# Altium PCB NG2094.PcbDoc (part 2 of 3) (continued)
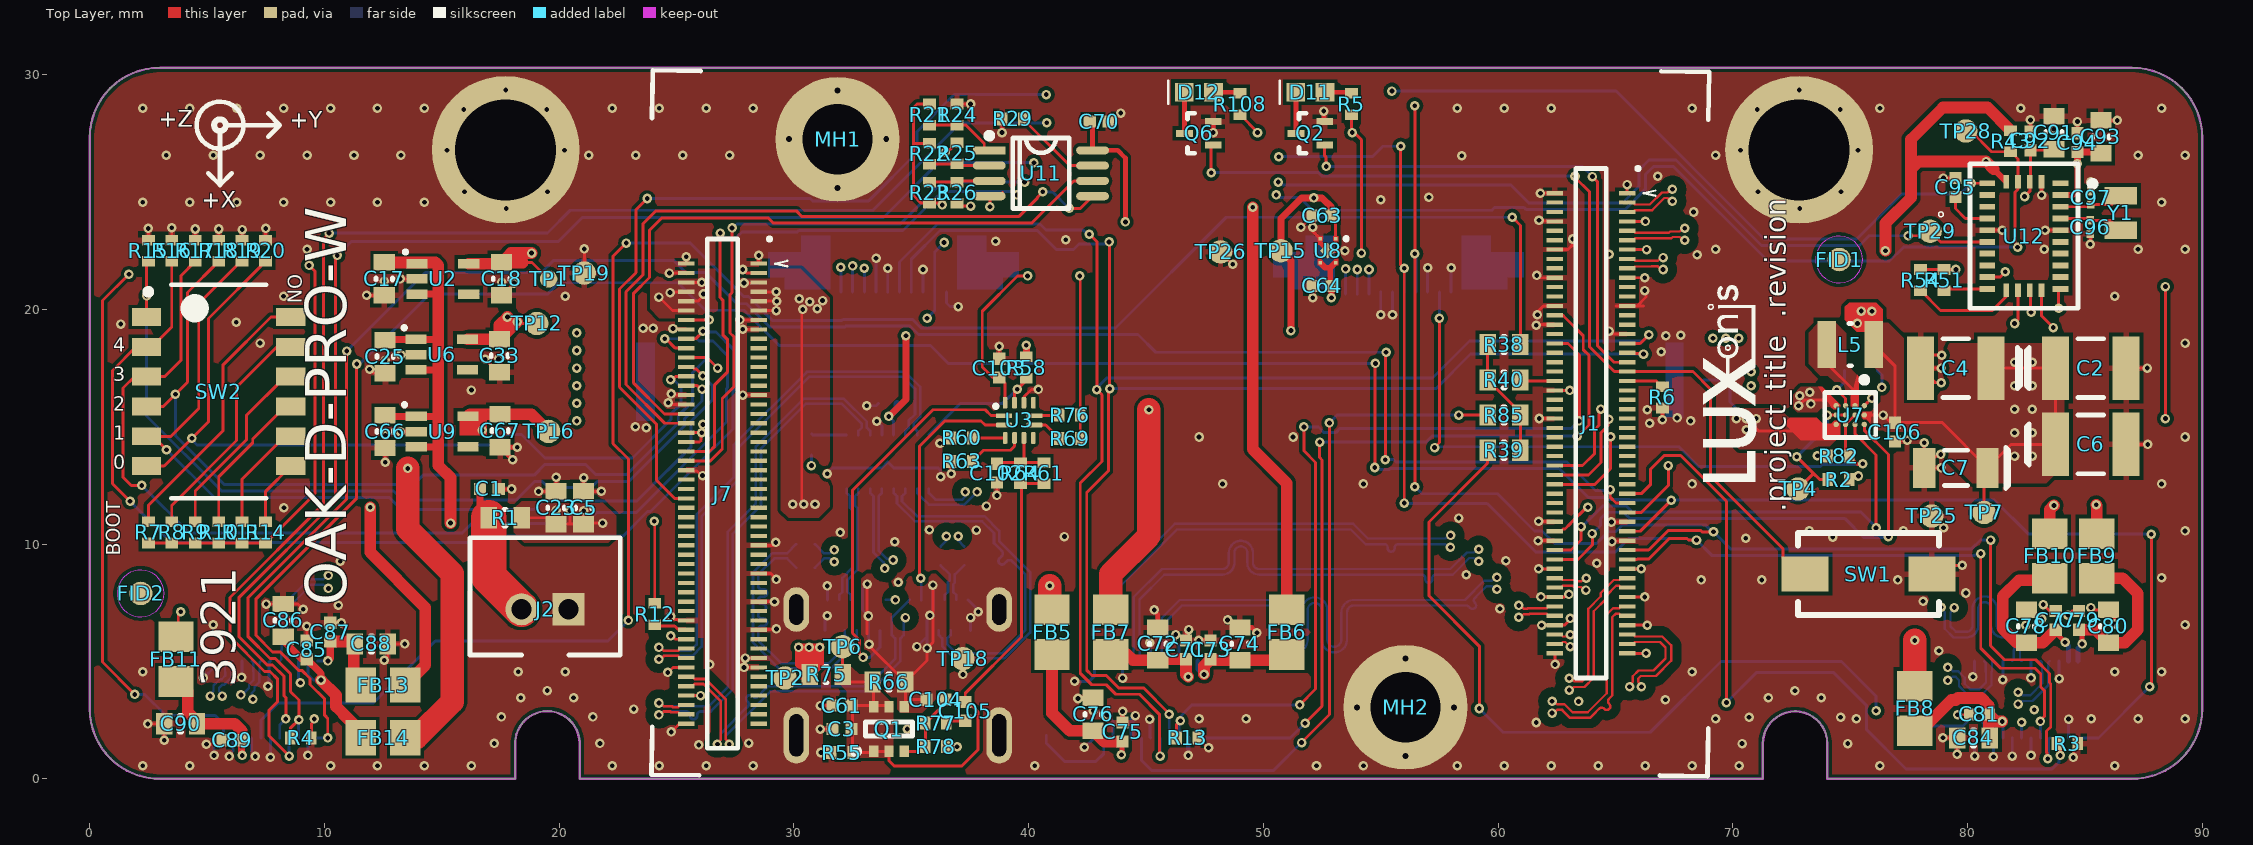
[diagram p0: Top Layer view]
## Nets (pads, with @x,y where several pads share a name; then routed paths per layer and width w, separated by ;. In a path a pad name is that pad's centre, name@x,y a point inside that pad or via, vN(x,y) a via of type N, cw(c..) or ccw(c..) an arc to the next point about the centre after c; other vN are vias at no path point) (continued)
  Inner Layer 2 w0.125: v1(63.825,11.575) 63.825,11.963 65.787,13.925 71.05,13.925 71.625,14.5 76.325,14.5 78.284,16.459 79.509,16.459 81.413,18.363 82.788,18.363 v1(83.65,19.225)
BNO08x_WAKE_1V8: J7.52 U12.6 | length 77.9
  Top Layer w0.125: v1(23.75,24.725) 23.275,24.25 23.275,21.564 22.575,20.864 22.575,16.686 24.15,15.111 24.15,12.725 24.925,11.95 J7.52@25.42,11.95 ; v1(80.15,25.375) U12.6@80.835,25.374
  Inner Layer 1 w0.125: v1(40.75,29.15) 55.261,29.15 55.411,29.3 v1(55.475,29.3)
  Bottom Layer w0.125: v1(23.75,24.725) 30.7,24.725 30.8,24.625 33.187,24.625 35.244,26.681 35.244,27.569 36.825,29.15 37.337,29.15 37.353,29.165 37.697,29.165 37.713,29.15 v1(40.75,29.15) ; v1(55.475,29.3) 65.028,29.3 71.328,23 75.275,23 77.2,24.925 79.7,24.925 v1(80.15,25.375)
Boot0: J7.26 R20.1 SW2.6 | length 36
  Top Layer w0.125: SW2.6@2.425,13.325 3.175,13.325 v1(4.357,14.507) 5.065,15.215 5.065,19.615 R20.1@7.5,22.05 ; v1(24.75,17) 24.821,17 24.964,17.142 25.412,17.142 J7.26@25.42,17.15
  Bottom Layer w0.125: v1(4.357,14.507) 4.357,14.443 4.575,14.225 17.275,14.225 17.725,14.675 18.4,14.675 19.4,13.675 23.125,13.675 24.768,15.318 24.768,15.551 25.2,15.983 25.2,16.685 24.938,16.946 24.804,16.946 v1(24.75,17)
Boot1: J7.24 R19.1 SW2.5 | length 39.6
  Top Layer w0.125: SW2.5@2.425,14.595 SW2.5@2.705,14.595 ; v1(3.275,14.025) SW2.5@2.705,14.595 ; R19.1@6.5,22.05 6.45,22.05 4.65,20.25 4.65,15.775 3.47,14.595 SW2.5@2.705,14.595 ; J7.24@25.42,17.55 25.447,17.523 25.708,17.523 25.777,17.453 25.858,17.453 26.123,17.188 v1(26.123,17.164)
  Bottom Layer w0.125: v1(3.275,14.025) 5.316,11.984 12.766,11.984 13.275,11.475 18.938,11.475 19.324,11.861 21.19,11.861 21.217,11.834 23.311,11.834 23.6,12.123 23.6,12.125 25.625,14.15 25.625,15.241 26.525,16.141 26.525,16.762 v1(26.123,17.164)
Boot2: J7.22 R18.1 SW2.4 | length 38.7
  Top Layer w0.125: SW2.4@2.425,15.865 3.14,15.865 v1(3.658,16.382) 4.175,16.9 4.175,20.725 R18.1@5.5,22.05 ; J7.22@25.42,17.95 26.3,17.95 v1(26.75,17.5)
  Bottom Layer w0.125: v1(3.658,16.382) 3.658,14.619 5.742,12.534 13.8,12.534 14.203,12.938 18.938,12.938 19.4,13.4 21.125,13.4 21.55,12.975 22.886,12.975 25.075,15.164 25.075,15.469 25.676,16.07 25.676,17.305 26.259,17.888 26.362,17.888 v1(26.75,17.5)
Boot3: J7.20 R17.1 SW2.3 | length 46.8
  Top Layer w0.125: v1(2.225,12.5) 1.775,12.5 1.425,12.85 1.425,16.65 1.91,17.135 SW2.3@2.425,17.135 3.185,17.135 3.9,17.85 3.9,21.45 R17.1@4.5,22.05 ; v1(24.5,18.75) 24.55,18.75 24.95,18.35 J7.20@25.42,18.35
  Bottom Layer w0.125: v1(2.225,12.5) 4.25,10.475 15.875,10.475 16.275,10.875 21.125,10.875 21.6,11.35 23.286,11.35 27.134,15.198 27.134,16.636 27.166,16.667 27.166,18.034 26.55,18.65 25.956,18.65 25.855,18.75 v1(24.5,18.75)
Boot4: J7.18 R16.1 SW2.2 | length 46.3
  Top Layer w0.125: v1(1.725,11.825) 0.975,12.575 0.975,17.4 1.98,18.405 SW2.2@2.425,18.405 2.655,18.405 3.5,19.25 R16.1@3.5,22.05 ; J7.18@25.42,18.75 25.822,18.75 26.128,19.056 v1(26.128,19.065)
  Bottom Layer w0.125: v1(1.725,11.825) 3.475,10.075 16.225,10.075 16.5,10.35 22.729,10.35 23.769,11.391 23.898,11.391 27.409,14.902 27.409,16.522 27.441,16.553 27.441,18.284 26.687,19.038 26.155,19.038 v1(26.128,19.065)
CAM_A_CLK: J1.28 J5.24 | length 34.4
  Top Layer w0.125: v1(51.775,2.375) 52.5,3.1 52.5,13.589 52.4,13.689 v1(52.4,14.35) ; J1.28@62.415,19.75 62.75,19.75 62.847,19.653 62.853,19.653 62.978,19.528 62.978,19.522 63.625,18.875 63.625,18.286 63.866,18.046 63.866,15.078 63.388,14.6 v1(63.375,14.6)
  Bottom Layer w0.125: J5.24@47.2,1.745 51.145,1.745 v1(51.775,2.375) ; v1(52.4,14.35) 56.937,14.35 57.187,14.6 v1(63.375,14.6)
CAM_A_PWDN_N: J1.34 J5.22 R13.1 | length 35.5
  Top Layer w0.125: R13.1@46.3,1.75 46.3,2.325 46.455,2.48 v1(46.464,2.48) ; v1(51.55,3.15) 52.225,3.825 52.225,13.475 51.725,13.975 v1(51.725,14.992) ; J1.34@62.415,18.55 62.972,18.55 63.465,18.057 63.465,15.265 v1(63.45,15.25)
  Bottom Layer w0.125: J5.22@46.4,1.745 v1@46.4,2.48 ; v1(46.464,2.48) v1@46.4,2.48 ; v1(51.55,3.15) 46.95,3.15 46.4,2.6 v1@46.4,2.48 ; v1(51.725,14.992) 52.346,14.992 52.588,14.75 53.081,14.75 53.265,14.935 63.122,14.935 63.437,15.25 v1(63.45,15.25)
CAM_B_CLK: J1.73 J3.24 J4.24 | length 117.4
  Top Layer w0.125: v1(10.145,1.745) 10.145,2.578 10.013,2.71 10.013,3.401 9.394,4.02 9.394,4.272 9.038,4.627 8.902,4.627 8.124,5.405 7.794,5.405 7.094,6.106 7.094,7.676 11.375,11.958 v1(11.375,17.675) ; v1(54.747,13.265) 54.761,13.28 54.761,17.686 v1(54.775,17.7) ; J1.73@65.495,10.55 66.05,10.55 v1(67.375,11.875) ; v1(87.75,3.925) 87.75,4.001 87.825,4.076 v1(87.825,10.425)
  Bottom Layer w0.125: J4.24@9.7,1.745 v1(10.145,1.745) ; v1@11.525,17.7 14.475,20.65 19.5,20.65 19.984,21.134 25.065,21.134 26.234,19.966 27.872,19.966 28.116,19.722 28.116,19.719 29.375,18.46 35.816,18.46 36.575,17.7 v1(54.775,17.7) ; v1(54.747,13.265) 54.801,13.212 54.932,13.212 54.961,13.183 55.364,13.183 55.406,13.225 62.6,13.225 63.835,11.99 64.522,11.99 64.603,11.909 65.563,11.909 65.598,11.875 v1(67.375,11.875) 81.15,11.875 82.6,10.425 v1(87.825,10.425) ; J3.24@84.7,1.745 85.57,1.745 v1(87.75,3.925)
CAM_B_D_PWM: J1.65 J3.22 R3.1 | length 33.4
  Top Layer w0.125: J1.65@65.495,12.15 66.1,12.15 66.5,12.55 66.5,13.202 67.073,13.775 67.775,13.775 69.725,11.825 v1(69.725,3.25) ; R3.1@83.8,1.5 83.95,1.35 v1(83.95,1)
  Bottom Layer w0.125: v1(69.725,3.25) 71,4.525 74.3,4.525 75.684,3.14 75.684,2.115 77.375,0.425 83.6,0.425 83.9,0.725 J3.22@83.9,1.745
CAM_B_PWDN_N: J1.67 J4.22 R4.1 | length 83.6
  Top Layer w0.125: R4.1@8.55,1.75 8.55,2.16 v1(8.914,2.524) ; v1@8.9,2.525 8.914,2.539 8.914,3.363 8.563,3.715 8.563,4.478 7.91,5.13 7.68,5.13 6.755,6.055 6.755,7.727 10.95,11.922 v1(10.95,18.225) ; v1(55.192,13.598) 55.209,13.615 55.209,18.159 v1(55.225,18.175) ; v1(64.775,12.325) 64.775,12 65.025,11.75 J1.67@65.495,11.75
  Bottom Layer w0.125: J4.22@8.9,1.745 8.907,1.752 8.907,2.517 v1(8.914,2.524) ; v1(10.95,18.225) 14.3,21.575 19.25,21.575 19.75,22.075 24.9,22.075 25.409,21.566 26.247,21.566 27.572,20.241 27.986,20.241 28.391,19.836 28.391,19.833 28.964,19.259 32.168,19.259 32.199,19.291 34.947,19.291 35.303,18.934 44.656,18.934 45.416,18.175 v1(55.225,18.175) ; v1(55.192,13.598) 55.547,13.598 55.645,13.5 62.935,13.5 64.145,12.29 v1@64.775,12.29
CAP: C95.1 U12.9 | length 2
  Top Layer w0.125: C95.1@79.48,24.794 79.48,24.295 79.901,23.874 U12.9@80.835,23.874
CC1: J10.A5 U3.2 | length 10.7
  Top Layer w0.125: v1(35.4,8.55) 35.36,8.59 35.36,14.184 36.425,15.25 37.975,15.25 38.15,15.075 U3.2@38.95,15.075
  Bottom Layer w0.125: v1(35.4,8.55) 35.425,8.525 J10.A5@35.425,7.625
CC2: J10.B5 U3.1 | length 16.9
  Top Layer w0.125: v1(32.95,5.175) 32.788,5.337 32.788,5.92 32.5,6.208 32.5,12.3 35.925,15.725 38.15,15.725 38.4,15.475 U3.1@38.95,15.475
  Bottom Layer w0.125: v1(32.95,5.175) 33.234,5.175 33.675,5.616 J10.B5@33.675,6.325
COM_AUX_IO2: J1.42 R40.2 | length 1.5
  Top Layer w0.125: R40.2@60.95,17 61,16.95 J1.42@62.415,16.95
EEPROM_A0: R21.1 R24.2 U11.1 | length 3.1
  Top Layer w0.125: R21.1@35.775,27.85 R24.2@36.95,27.85 37.325,27.85 38.111,27.064 38.111,26.888 38.223,26.775 U11.1@38.325,26.775
EEPROM_A1: R22.1 R25.2 U11.2 | length 2.6
  Top Layer w0.125: R22.1@35.775,26.175 35.8,26.2 R25.2@36.95,26.2 ; R25.2@36.95,26.125 U11.2@38.325,26.125
EEPROM_A2: R23.1 R26.2 U11.3 | length 2.6
  Top Layer w0.125: R23.1@35.775,25.425 R26.2@36.95,25.425 37,25.475 U11.3@38.325,25.475
ENV_SCL: R51.2 U12.15 | length 1.9
  Top Layer w0.125: R51.2@79,20.8 79.074,20.874 U12.15@80.835,20.874
ENV_SDA: R54.2 U12.16 | length 4.5
  Top Layer w0.125: R54.2@78,20.8 78.85,19.95 81.05,19.95 81.648,20.548 U12.16@81.648,20.812
FSIN1: J4.18 R38.2 | length 81.5
  Top Layer w0.125: v1(22.859,22.825) 22.3,22.265 22.3,14.282 22.95,13.632 v1(22.95,6.75) ; v1(60.6,23.925) 60.95,23.575 R38.2@60.95,18.5
  Bottom Layer w0.125: J4.18@7.3,1.745 7.3,2.5 8.025,3.225 12.075,3.225 14.725,5.875 22.075,5.875 v1(22.95,6.75) ; v1(22.859,22.825) 25.587,22.825 27.862,20.55 28.065,20.55 28.666,19.95 28.666,19.947 29.078,19.534 32.054,19.534 32.085,19.566 35.061,19.566 35.417,19.209 43.698,19.209 48.414,23.925 v1(60.6,23.925)
FSIN2: J3.18 R39.2 | length 40.2
  Top Layer w0.125: v1(59.2,3) 59.2,5.65 57.05,7.8 57.05,10.95 59.55,13.45 R39.2@59.55,14
  Inner Layer 1 w0.125: v1(76.1,2.9) 76.825,2.9 77.475,2.25 79.25,2.25 79.625,1.875 81.762,1.875 v1(82.3,2.413)
  Bottom Layer w0.125: v1(59.2,3) 60.213,1.987 66.476,1.987 69.489,5 74.625,5 76.1,3.525 v1(76.1,2.9) ; J3.18@82.3,1.745 v1(82.3,2.413)
FSIN3: J5.18 R85.2 | length 29.4
  Top Layer w0.125: v1(51.625,1.55) 52.816,2.74 v1(52.816,15.165) ; v1(58.322,15.497) 58.325,15.5 R85.2@59.55,15.5
  Bottom Layer w0.125: J5.18@44.8,1.745 44.8,0.8 45.25,0.35 50.425,0.35 v1(51.625,1.55) ; v1(52.816,15.165) 53.147,15.497 v1(58.322,15.497)
GND: C1.1 C2.2 C3.1 C4.2 C5.1 C6.2 C7.2 C17.1 C18.1 C23.1 C25.1 C33.1 C61.1 C62.1 C63.1 C64.1 C66.1 C67.1 C70.1 C71.1 C72.1 C73.1 C74.1 C75.1 C76.1 C77.1 C78.1 C79.1 C80.1 C81.1 C84.1 C85.1 C86.1 C87.1 C88.1 C89.1 C90.1 C91.1 C92.1 C93.1 C94.1 C95.2 C96.1 C97.1 C102.1 C103.1 C106.1 C107.2 D2.2 D4.2 J1.1 J1.2 J1.7 J1.8 J1.13 J1.14 J1.19 J1.20 J1.25 J1.26 J1.30 J1.31 J1.44 J1.50 J1.71 J1.72 J1.75 J1.76 J1.81 J1.82 J1.87 J1.88 J1.93 J1.94 J1.99 J1.100 J2.P1 J3.3 J3.6 J3.9 J3.12 J3.13 J3.15 J3.17 J3.19 J3.23 J4.3 J4.6 J4.9 J4.12 J4.13 J4.15 J4.17 J4.19 J4.23 J5.3 J5.6 J5.9 J5.12 J5.13 J5.15 J5.17 J5.19 J5.23 J6.4 J6.5 J6.8 J6.10 J7.1 J7.2 J7.3 J7.4 J7.13 J7.14 J7.15 J7.16 J7.29 J7.30 J7.32 J7.38 J7.40 J7.46 J7.61 J7.67 J7.73 J7.78 J7.79 J7.82 J7.85 J7.87 J7.88 J7.94 J7.100 J8.4 J8.5 J8.8 J8.10 J10.A1 J10.A12 J10.B1 J10.B12 J10.SH1 J10.SH2 J10.SH3 J10.SH4 MH1.1 MH2.1 pad.4 Q2.2 Q6.2 R3.2 R4.2 R6.1 R13.2 R15.2 R16.2 R17.2 R18.2 R19.2 R20.2 R24.1 R25.1 R26.1 R29.1 R55.1 R56.2 R60.2 R63.2 R78.1 R82.1 SW1.1 TP18.1 TP19.1 TP25.1 TP26.1 U2.2 U3.10 U5.5 U5.11 U5.20 U5.21 U6.2 U7.A1 U8.2 U8.5 U9.2 U11.4 U12.2 U12.10 U12.25 | length 152.5
  Top Layer w0.125: v1(2.476,2.341) 2.516,2.341 2.55,2.375 2.575,2.35 C90.1@3.175,2.35 v1(3.175,1.65) ; R15.2@2.5,22.95 v1(2.5,23.45) ; R16.2@3.5,22.95 v1(3.5,23.475) ; R17.2@4.5,22.95 v1(4.5,23.425) ; v1(4.975,1.475) 5.5,1.475 C89.1@5.675,1.65 ; R18.2@5.5,22.95 v1(5.5,23.425) ; R19.2@6.5,22.95 v1(6.5,23.4) ; R20.2@7.5,22.95 v1(7.5,23.45) ; v1(7.525,7.45) C86.1@8.25,7.45 8.875,7.45 v1(9.1,7.225) ; C85.1@9.25,5.9 v1(9.25,6.5) ; R4.2@9.45,1.75 9.45,2.35 9.575,2.475 9.572,2.478 v1(9.572,2.558) ; C87.1@10.25,6.65 v1(10.725,6.65) ; v1(11.8,20.6) C17.1@12.55,20.6 v1(12.55,21.2) ; v1(11.925,17.45) 12.086,17.289 C25.1@12.589,17.289 v1(12.589,17.839) ; v1(12.55,5.05) 12.7,5.2 C88.1@12.7,5.75 v1(13.425,5.75) ; v1(12.589,13.489) v1(12.589,14.64) ; v1(13.225,21.3) U2.2@13.95,21.3 ; v1(13.229,14.796) U9.2@13.914,14.796 ; v1@13.238,18.063 v1(13.26,18.063) 13.26,18.066 13.25,18.075 U6.2@13.9,18.075 ; v1(16.85,17.875) 17.4,17.325 C33.1@17.464,17.325 17.422,17.367 v1(17.422,17.889) ; C1.1@17.425,12.35 v1(17.975,12.35) ; v1(17.55,21.15) C18.1@17.55,20.6 v1(18.075,21.125) ; v1(19.122,12.247) C23.1@19.87,12.247 v1(19.87,12.845) ; v1(21.044,12.831) C5.1@21.044,12.25 v1(21.8,12.25) ; TP19.1@21.075,21.55 v1(21.075,22.575) ; v1(24.625,4.534) 24.64,4.534 24.856,4.75 J7.88@25.42,4.75 ; v1(24.652,16.023) 24.728,16.023 24.801,15.95 J7.32@25.42,15.95 ; v1(24.7,21.55) J7.4@25.42,21.55 ; v1(24.745,6.923) 24.818,6.923 24.959,6.782 25.036,6.782 25.041,6.777 25.393,6.777 J7.78@25.42,6.75 ; v1(24.76,6.092) 24.821,6.092 24.963,5.95 J7.82@25.42,5.95 ; v1(24.775,2) 25.125,2.35 J7.100@25.42,2.35 ; v1(24.775,16.4) 24.825,16.35 J7.30@25.42,16.35 ; v1(24.851,19.182) 24.866,19.166 25.404,19.166 J7.16@25.42,19.15 ; J7.94@25.42,3.55 v1(26.025,3.55) ; J7.46@25.42,13.15 25.447,13.123 25.868,13.123 26.068,12.922 v1(26.113,12.922) ; J7.40@25.42,14.35 25.428,14.358 25.977,14.358 26.05,14.431 v1@26.05,14.628 ; J7.38@25.42,14.75 v1@25.928,14.75 ; J7.14@25.42,19.55 v1(26.4,19.55) ; J7.2@25.42,21.95 v1(25.42,22.245) ; v1(26.075,14.75) v1@25.928,14.75 ; v1(26.125,15.1) 26.1,15.125 26.1,14.922 v1@25.928,14.75 ; v1(27.7,19.55) J7.13@28.5,19.55 ; v1(27.825,16.35) J7.29@28.5,16.35 ; v1(27.825,19.15) J7.15@28.5,19.15 ; v1(27.825,21.7) 27.975,21.55 J7.3@28.5,21.55 ; v1(27.875,4.75) J7.87@28.5,4.75 ; v1(27.925,5.15) J7.85@28.5,5.15 ; J7.79@28.5,6.35 28.521,6.371 29.237,6.371 v1(29.258,6.391) ; J7.73@28.5,7.55 v1(29.175,7.55) ; J7.67@28.5,8.75 29.025,8.75 29.25,8.525 v1(29.25,8.5) ; J7.61@28.5,9.95 29.1,9.95 v1(29.225,10.075) ; J7.1@28.5,21.95 v1(28.5,22.3) ; v1(31.125,2.125) C3.1@31.65,2.125 ; v1(31.125,3.125) C61.1@31.65,3.125 ; v1(31.15,1.125) R55.1@31.6,1.125 ; v1(36.225,14.3) 36.45,14.525 R60.2@36.7,14.525 ; v1@36.475,26.687 v1(36.458,26.704) 36.534,26.704 36.638,26.807 36.657,26.807 R25.1@36.95,27.1 ; R78.1@36.5,1.375 v1(36.95,1.375) ; v1(36.7,13) R63.2@36.7,13.525 ; R26.1@36.95,24.525 37.075,24.4 v1(37.525,24.4) ; R24.1@36.95,28.75 v1(37.525,28.75) ; v1(37.2,4.45) TP18.1@37.2,5.125 ; v1(38.35,24.375) 38.35,24.721 38.454,24.825 38.789,24.825 38.893,24.929 U11.4@38.893,24.984 ; v1(38.65,12.075) C102.1@38.65,12.625 ; C103.1@38.75,17.9 v1(38.75,18.425) ; v1(38.865,27.534) R29.1@38.865,28.113 ; U3.10@39.8,16.025 39.8,16.275 40.117,16.592 v1(40.416,16.592) v1@40.508,16.592 ; v1@42.1,3.45 C76.1@42.75,3.45 v1(42.75,2.9) ; R13.2@47.2,1.75 47.55,1.4 47.55,1.325 v1(47.668,1.325) ; TP26.1@48.175,22.45 48.175,22.448 48.697,21.926 v1(48.697,21.925) ; v1(51.6,23.5) C63.1@52.1,24 ; v1@52.053,20.45 v1(52.1,20.497) C64.1@52.1,21 ; v1(52.1,23.503) 52.1,23.33 U8.2@52.42,23.01 ; v1(61.625,19.325) 61.65,19.35 J1.30@62.415,19.35 ; v1(61.65,21.45) 61.75,21.35 J1.20@62.415,21.35 ; v1(61.675,19.775) 61.675,19.9 61.925,20.15 J1.26@62.415,20.15 ; v1(61.7,10.15) J1.76@62.415,10.15 ; v1(61.722,10.981) 61.737,10.966 62.399,10.966 J1.72@62.415,10.95 ; v1(61.725,8.95) J1.82@62.415,8.95 ; v1(61.741,23.8) 61.766,23.775 62.39,23.775 J1.8@62.415,23.75 ; v1(61.75,15.353) 61.752,15.352 J1.50@62.415,15.35 J1.50@62.415,15.35 ; v1(61.8,24.95) J1.2@62.415,24.95 ; v1(61.825,7.75) J1.88@62.415,7.75 62.833,7.75 62.942,7.859 v1(63.018,7.859) ; v1(61.85,6.55) J1.94@62.415,6.55 62.825,6.55 63.068,6.793 v1(63.068,6.839) ; J1.100@62.415,5.35 62.415,4.885 v1(62.425,4.875) ; J1.44@62.415,16.55 v1(63.05,16.55) ; J1.14@62.415,22.55 62.975,22.55 63.175,22.75 v1(63.175,23) ; v1(64.725,19.075) 64.85,18.95 J1.31@65.495,18.95 ; v1(64.825,10.944) 64.828,10.947 65.492,10.947 J1.71@65.495,10.95 ; v1(64.85,10.113) 64.869,10.131 65.476,10.131 J1.75@65.495,10.15 ; 65.025,20.15 J1.25@65.495,20.15 65.925,20.15 ; J1.99@65.495,5.35 v1(66.3,5.35) ; J1.93@65.495,6.55 v1(66.35,6.55) ; J1.87@65.495,7.75 v1(66.25,7.75) ; J1.81@65.495,8.95 v1(66.1,8.95) ; J1.19@65.495,21.35 v1(66.25,21.35) ; J1.13@65.495,22.55 v1(66.325,22.55) ; J1.7@65.495,23.75 v1(66.275,23.75) ; J1.1@65.495,24.95 v1(65.495,25.32) ; 66.2,20.15 65.925,20.15 ; v1(66.25,20.8) 66.298,20.752 66.298,20.523 65.925,20.15 ; v1(67,15.3) R6.1@67,15.8 ; v1(73.6,13.765) 74.035,13.765 R82.1@74.05,13.75 ; U7.A1@75.6,15.9 v1(75.925,16.225) ; C106.1@76.9,14.375 76.95,14.425 v1(77.425,14.425) ; v1(78.15,14.325) C7.2@78.15,13.25 ; SW1.1@78.475,8.725 78.85,9.1 v1(79.775,9.1) ; TP25.1@78.475,11.2 v1(78.975,10.7) ; v1(78.85,13.825) 78.725,13.825 C7.2@78.15,13.25 ; v1(78.875,13.25) C7.2@78.15,13.25 ; v1(78.875,16.875) 78.625,16.875 C4.2@78,17.5 ; v1(78.875,17.5) C4.2@78,17.5 ; v1(78.9,18.05) 78.55,18.05 C4.2@78,17.5 ; v1(78.95,1.75) C84.1@79.55,1.75 v1(79.55,1.05) ; v1(78.969,25.594) C95.2@79.48,25.594 ; v1(79.573,2.734) 80.084,2.734 C81.1@80.1,2.75 ; U12.10@80.835,23.374 v1(81.476,23.374) ; v1(82.475,6.55) 82.5,6.575 C78.1@82.5,7.2 82.775,7.2 v1(83.15,6.825) ; C92.1@82.673,27.579 v1(82.673,28.073) ; v1(83.148,24.873) U12.2@83.148,25.437 ; v1(83.225,7.425) 83.5,7.15 C77.1@83.75,7.15 ; v1(83.301,23.374) U12.25@83.96,23.374 ; v1(83.673,27.677) C91.1@83.673,28.229 ; v1(84.275,6.975) 84.45,7.15 C79.1@84.75,7.15 ; v1(84.499,0.913) 84.538,0.952 84.538,1.338 R3.2@84.7,1.5 ; C94.1@84.675,27.5 v1(84.675,28) ; C97.1@85.223,25.019 C97.1@85.235,25.03 v1(85.235,25.435) ; v1(85.228,22.778) C96.1@85.228,23.23 ; v1(85.25,7.3) 85.35,7.2 C80.1@86,7.2 86.25,6.95 v1(86.25,6.6) ; C93.1@85.675,28.05 v1(86.375,28.05) ; C6.2@86.75,14.25 v1(87.675,14.25) ; C2.2@86.75,17.5 v1(87.65,17.5)
  Top Layer w0.2: v1(18.019,13.6) C67.1@17.487,14.131 v1(18.219,14.131) ; C70.1@43.4,28 43.56,28.16 43.705,28.16 43.91,28.366 v1(43.925,28.366) ; C75.1@44,2.4 v1(44,2.875) ; v1(45.354,7.2) 45.354,7.157 45.5,7.011 C72.1@45.5,6.45 ; C71.1@46.7,5.9 46.747,5.947 46.747,6.227 46.823,6.304 v1(46.823,6.359) ; v1(47.25,5.9) C73.1@47.75,5.9 ; v1(47.86,27.534) Q6.2@47.86,28 ; v1(48.475,6.773) 48.514,6.733 48.617,6.733 48.9,6.45 C74.1@49,6.45 49.5,6.45 v1(49.725,6.225) ; U8.2@52.42,23.01 52.42,22.83 U8.5@52.75,22.5 v1(53.475,22.5) ; v1(52.575,28.45) 52.575,28.035 Q2.2@52.61,28
  Bottom Layer w0.125: v1(4.85,4.3) v1@4.902,4.352 ; 4.902,4.551 v1@4.902,4.352 ; v1(5.3,1) J4.13@5.3,1.745 ; J4.12@5.3,5.025 5.3,4.75 v1@4.902,4.352 ; v1(5.946,0.957) 5.946,1.033 6.1,1.187 J4.15@6.1,1.745 ; v1@6.5,4.425 J4.9@6.5,5.025 ; J4.17@6.9,1.745 6.9,1.187 7.054,1.033 v1(7.054,0.957) ; v1(7.597,3.95) 7.648,4.002 7.648,4.973 J4.6@7.7,5.025 ; v1(7.7,0.925) J4.19@7.7,1.745 ; J4.3@8.9,5.025 8.9,4.254 8.978,4.176 v1(8.978,4.1) ; v1(9.3,1) J4.23@9.3,1.745 ; v1(30.75,13.35) R56.2@30.75,13.8 ; J10.B1@31.325,6.325 31.325,6.85 v1(31.425,6.95) ; J10.A12@31.425,7.625 v1(31.425,8.22) ; v1(31.425,13) 31.45,13.025 31.45,13.05 31.65,13.25 U5.20@31.85,13.25 33.75,13.25 U5.21@34,13.5 34.25,13.25 U5.11@36.15,13.25 36.25,13.15 v1(36.25,12.875) ; v1(33.1,15.897) 33.497,15.897 C62.1@33.6,16 ; J6.4@33.5,20.75 v1(33.5,22.175) ; v1(33.528,15.239) 33.547,15.239 33.75,15.036 U5.5@33.75,14.65 ; J6.5@34,20.75 v1(34,21.75) ; J6.8@35.5,20.75 v1(35.5,21.7) ; J6.10@36.5,20.75 36.5,20.275 36.652,20.122 v1(37.002,20.122) ; J10.A1@37.425,7.625 37.85,7.2 v1(37.85,7.125) ; J10.B12@37.525,6.325 v1(37.525,6.875) ; v1@41.956,4.181 v1(41.956,4.156) 42.581,4.156 42.8,4.375 J5.12@42.8,5.025 ; v1(42.375,1.347) 42.375,1.4 42.455,1.4 J5.13@42.8,1.745 ; v1@43.325,2.7 43.325,2.715 v1(43.336,2.726) 43.6,2.462 J5.15@43.6,1.745 ; v1(44,4.297) 44,4.4 J5.9@44,5.025 ; v1(45.15,5.8) 45.2,5.75 J5.6@45.2,5.025 ; v1(45.152,2.545) 45.176,2.521 45.176,1.769 J5.19@45.2,1.745 ; v1(46.272,6.15) 46.262,6.14 46.262,5.834 46.4,5.697 J5.3@46.4,5.025 ; v1(55,19.775) J8.4@55,20.75 ; v1(55.5,19.775) J8.5@55.5,20.75 ; J8.8@57,20.75 v1(57,21.775) ; J8.10@58,20.75 v1(58,21.775) ; v1(67.625,15.375) D2.2@67.625,17 ; C107.2@76.15,17.4 76.35,17.2 v1(76.35,16.675) ; v1(80.225,4.35) 80.3,4.425 J3.12@80.3,5.025 ; v1(80.3,0.975) J3.13@80.3,1.745 ; v1@81.028,0.947 v1(81.1,0.947) J3.15@81.1,1.745 ; v1(81.5,4.225) J3.9@81.5,5.025 ; v1(81.9,0.975) J3.17@81.9,1.745 ; v1(82.7,1) J3.19@82.7,1.745 ; v1(82.7,4.3) J3.6@82.7,5.025 ; v1(83.9,4.275) J3.3@83.9,5.025 ; J3.23@84.3,1.745 v1(84.3,2.55)
  Bottom Layer w0.2: J5.17@44.4,1.745 44.4,2.55 v1(44.55,2.7) ; v1(46.8,1) J5.23@46.8,1.745
  other v1: 2.263,0.565 4.263,0.565 10.263,0.565 12.263,0.565 14.263,0.565 16.263,0.565 22.263,0.565 24.263,0.565 26.263,0.565 28.263,0.565 40.263,0.565 52.263,0.565 54.263,0.565 58.263,0.565 60.263,0.565 62.263,0.565 64.263,0.565 66.263,0.565 68.263,0.565 70.263,0.565 76.263,0.565 86.263,0.565 25.95,1.45 70.391,1.506 74.891,1.506 17.241,1.514 21.741,1.514 28.075,1.525 34.825,2.125 61.625,2.403 47.263,2.565 49.263,2.565 69.263,2.565 75.263,2.565 85.263,2.565 87.263,2.565 89.263,2.565 17.542,2.639 21.439,2.639 70.692,2.631 74.589,2.631 82.842,2.942 23.175,2.975 63.425,3.3 67.125,3.375 42.103,3.425 18.366,3.462 20.616,3.462 71.516,3.454 73.766,3.454 19.491,3.764 72.641,3.756 6.475,4.325 2.263,4.565 18.263,4.565 20.263,4.565 68.263,4.565 86.263,4.565 88.263,4.565 26.408,4.879 78.779,5.457 5.263,6.565 89.263,6.565 60.075,7.25 10.6,7.4 78.102,7.566 79.93,7.92 34.45,8.375 68.65,8.475 71.225,8.475 77.025,8.475 88.263,8.565 58.638,8.695 64.196,9.187 10.675,9.275 60.332,9.298 34.3,10.1 70.55,10.25 74.25,10.3 41.525,10.325 31.975,10.5 73.263,10.565 77.263,10.565 89.263,10.565 37.775,10.6 35.775,10.618 58.321,11.111 8.275,11.55 38.2,11.625 48.263,12.565 54.263,12.565 68.263,12.565 88.263,12.565 47.263,14.565 51.263,14.565 89.263,14.565 23.712,14.962 23.25,15 66.45,15.15 68.2,15.25 66.35,15.725 16.263,16.565 66.95,18.2 7.263,18.565 89.263,18.565 67.15,18.875 67.775,18.9 23.575,19.2 24,19.2 1.325,19.375 6.25,19.45 8.263,20.565 20.263,20.565 86.263,20.565 68.475,22.325 64.725,22.35 9.263,22.565 69.263,22.565 83.263,22.565 87.263,22.565 89.263,22.565 38.591,22.907 41.584,22.97 68.325,24.15 17.749,24.3 72.849,24.3 2.263,24.565 4.263,24.565 6.263,24.565 8.263,24.565 10.263,24.565 12.263,24.565 14.263,24.565 88.263,24.565 55,24.675 57.05,24.775 15.974,25.015 19.51,25.015 71.074,25.015 74.61,25.015 66.8,25.675 58.45,26.55 3.263,26.565 5.263,26.565 7.263,26.565 9.263,26.565 11.263,26.565 13.263,26.565 21.263,26.565 23.263,26.565 25.263,26.565 27.263,26.565 69.263,26.565 87.263,26.565 89.263,26.565 15.225,26.776 20.225,26.776 70.325,26.776 75.325,26.776 15.94,28.515 19.476,28.515 71.04,28.515 74.576,28.515 2.263,28.565 4.263,28.565 6.263,28.565 8.263,28.565 10.263,28.565 12.263,28.565 14.263,28.565 22.263,28.565 24.263,28.565 26.263,28.565 28.263,28.565 58.263,28.565 60.263,28.565 62.263,28.565 68.263,28.565 76.263,28.565 82.263,28.565 88.263,28.565 17.725,29.35 72.825,29.35
  other v2: 56.055,0.975 53.98,3.05 58.13,3.05 56.055,5.125 31.86,25.175 29.785,27.25 33.935,27.25 31.86,29.325
GPIO58: J7.28 R15.1 SW2.1 | length 36
  Top Layer w0.125: SW2.1@2.425,19.675 v1(2.425,20.575) 2.425,21.975 R15.1@2.5,22.05 ; J7.28@25.42,16.75 25.883,16.75 26.024,16.608 v1(26.091,16.608)
  Bottom Layer w0.125: v1(2.425,20.575) 2.425,15.463 5.628,12.259 12.95,12.259 13.334,11.875 18.162,11.875 18.95,12.663 19.294,12.663 19.542,12.415 21.378,12.415 21.628,12.665 22.965,12.665 25.35,15.05 25.35,15.355 26.091,16.096 v1(26.091,16.608)
I2C0_SCL: J7.34 U11.6 | length 29.5
  Top Layer w0.125: J7.34@25.42,15.55 24.489,15.55 23.159,16.879 23.159,20.671 23.85,21.361 23.85,23.375 24.363,23.888 28.919,23.888 29.132,23.675 40.125,23.675 41.925,25.475 U11.6@42.725,25.475
I2C0_SDA: J7.36 U11.5 | length 30.9
  Top Layer w0.125: J7.36@25.42,15.15 24.5,15.15 22.85,16.8 22.85,20.75 23.575,21.475 23.575,23.65 24.125,24.2 30.1,24.2 30.35,23.95 39.575,23.95 40.386,24.761 40.386,24.789 v1(40.605,25.008) ; v1(41.725,24.3) 42.2,24.3 U11.5@42.725,24.825
  Bottom Layer w0.125: v1(40.605,25.008) 41.017,25.008 v1(41.725,24.3)
I2C1_SCL: J1.35 J5.21 J6.7 | length 58.8
  Top Layer w0.125: v1@43.4,16.6 43.4,13.125 42.475,12.2 42.475,4.624 42.699,4.4 43.309,4.4 43.828,3.881 44.894,3.881 45.983,2.792 v1(45.983,2.759) ; v1(43.425,22.875) 43.44,22.86 43.44,16.64 v1(43.459,16.621) ; J1.35@65.495,18.15 65.521,18.124 66.167,18.124 v1(66.192,18.098)
  Bottom Layer w0.125: J6.7@35,20.75 35,22.136 36.226,23.363 40.369,23.363 41.177,22.554 41.914,22.554 42.142,22.781 43.255,22.781 43.349,22.875 v1(43.425,22.875) ; v1(43.459,16.621) 43.463,16.625 57.35,16.625 58.823,18.098 v1(66.192,18.098) ; v1(45.983,2.759) 45.991,2.75 45.991,1.754 J5.21@46,1.745
I2C1_SDA: J1.33 J5.20 J6.6 | length 61.8
  Top Layer w0.125: v1(42.587,23.197) 42.603,23.197 42.915,22.884 42.915,16.603 v1(42.9,16.587) 43.125,16.362 43.125,13.525 42.2,12.6 42.2,4.5 42.687,4.013 43.308,4.013 43.714,3.606 44.719,3.606 45.567,2.758 45.567,1.008 v1(45.6,0.975) ; J1.33@65.495,18.55 66.05,18.55 v1(66.425,18.925)
  Bottom Layer w0.125: J6.6@34.5,20.75 34.5,22.025 36.113,23.638 40.483,23.638 40.735,23.385 42.331,23.385 42.52,23.197 v1(42.587,23.197) ; v1(42.9,16.587) 42.9,16.65 43.325,17.075 57.2,17.075 58.785,18.659 66.159,18.659 v1(66.425,18.925) ; v1(45.6,0.975) J5.20@45.6,1.745
I2C2_SCL: J1.77 J3.21 J4.21 J8.7 | length 135.3
  Top Layer w0.125: v1(8.5,0.975) 7.65,1.825 7.65,2.935 8.012,3.298 8.012,4.25 7.682,4.58 7.452,4.58 5.979,6.054 5.979,7.728 9.969,11.719 9.969,23.019 v1(10.2,23.25) ; v1(56.45,12.45) v1(56.45,22.375) v1(56.45,28.675) ; J1.77@65.495,9.75 66.412,9.75 67.252,10.59 68.622,10.59 68.688,10.525 v1(69.175,10.525) ; v1(80.975,10.175) 80.975,5.675 81.575,5.075 82.902,5.075 83.484,4.492 83.484,4.103 83.541,4.047 83.541,2.216 83.362,2.037 83.362,1.137 83.373,1.127 83.373,0.901 v1(83.411,0.863)
  Inner Layer 1 w0.125: v1(40.775,27.95) 55.725,27.95 v1(56.45,28.675)
  Bottom Layer w0.125: v1(8.5,0.975) J4.21@8.5,1.745 ; v1(10.2,23.25) 19.5,23.25 20.475,24.225 33.375,24.225 37.1,27.95 v1(40.775,27.95) ; v1(56.45,12.45) 56.753,12.147 59.968,12.147 61.55,10.566 61.872,10.566 62.413,10.025 64.188,10.025 64.435,10.272 64.435,10.285 64.678,10.528 64.997,10.528 65.294,10.825 68.825,10.825 69.125,10.525 v1(69.175,10.525) 69.9,9.8 80.175,9.8 80.55,10.175 v1(80.975,10.175) ; v1(56.45,22.375) 56.5,22.325 J8.7@56.5,20.75 ; v1(83.411,0.863) 83.456,0.907 83.456,1.701 J3.21@83.5,1.745